# Altium PCB 202101904XB(公开).PcbDoc (part 3 of 6)
Units mil, origin at the board's own origin, x right, y up, seen from the top; angles counter-clockwise.
Board outline 5834.66 x 3390.86 mil, 10 copper layers (Top, GND_02, sig_03, GND04, sig_05, PWR06, GND07, sig_08, GND09, Bottom); 610 components, 281 nets, 2214 pads, 1000 vias.
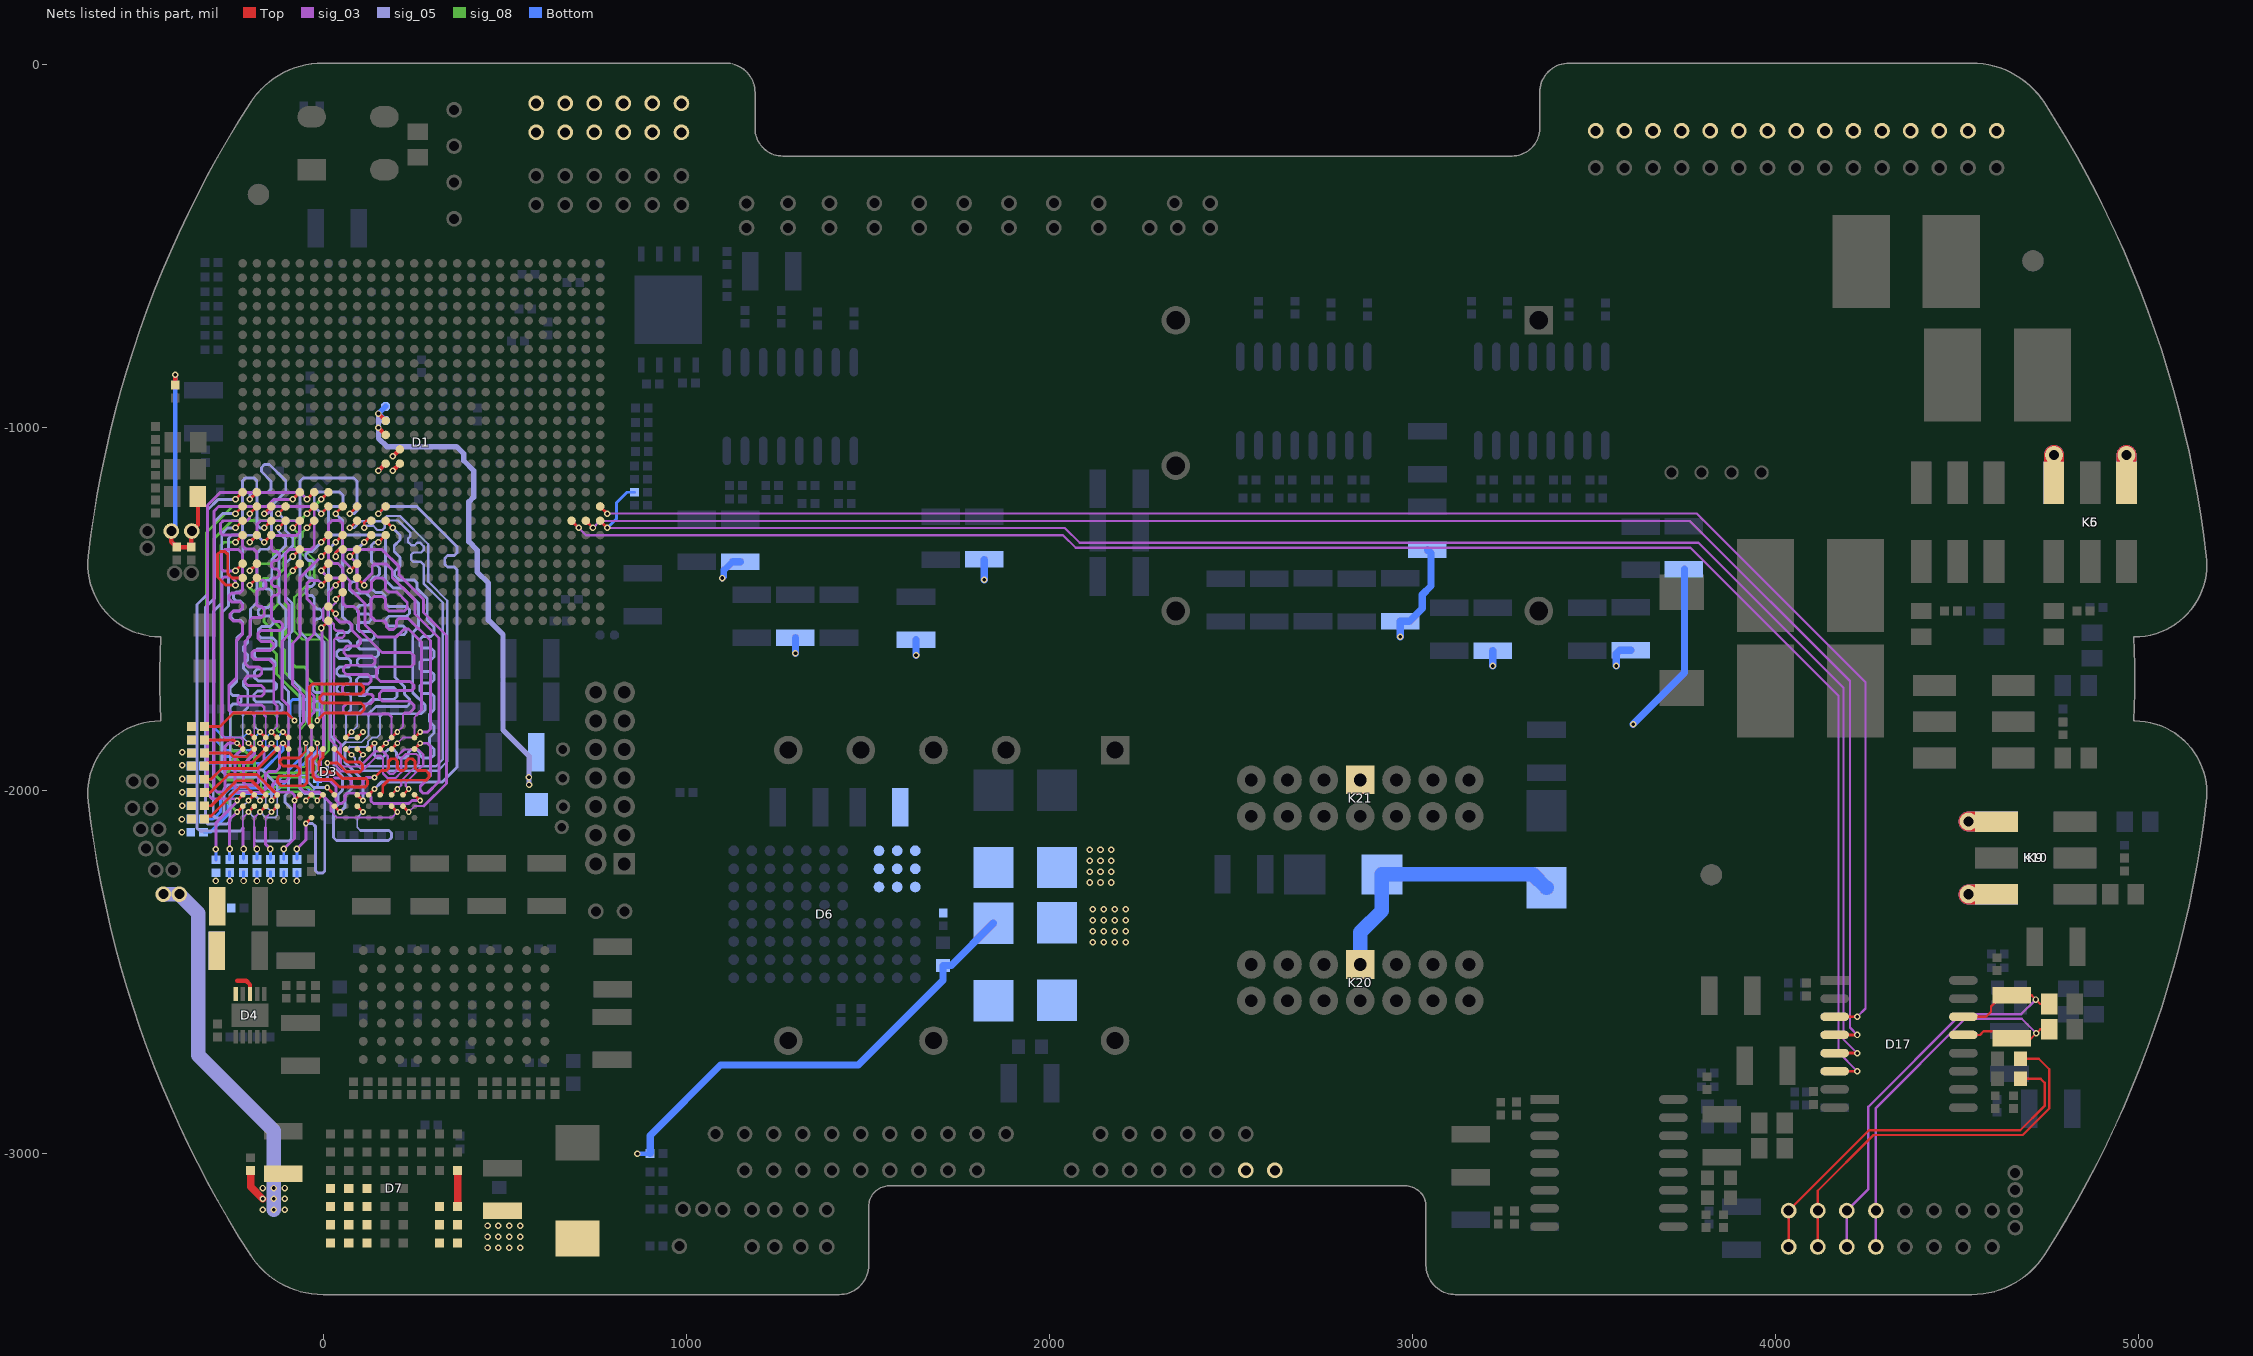
[diagram p11: the nets of this part, all layers, seen from the top]

## Via types
v1: diameter 18, hole 10, Top to Bottom, tented both sides, 880 vias
v2: diameter 16, hole 8, Top to Bottom, tented both sides, 91 vias
v3: diameter 50, hole 28, Top to Bottom, tented both sides, 22 vias
v4: diameter 24, hole 12, Top to Bottom, tented both sides, 5 vias
v5: diameter 40, hole 40, Top to Bottom, 2 vias

## Nets (pads, with @x,y where several pads share a name; then routed paths per layer and width w, separated by ;. In a path a pad name is that pad's centre, name@x,y a point inside that pad or via, vN(x,y) a via of type N, cw(c..) or ccw(c..) an arc to the next point about the centre after c; other vN are vias at no path point) (continued)
+5V2: 1.1 2.1 C119.2 C290.2 D7.3 | length 1112.3
  Top w20: C119.2@-199.42,-3047.14 -199.42,-3091.64 v1(-166.09,-3124.96)
  sig_05 w40: 1.1@-440,-2286 2.1@-396,-2286 -344,-2338 -344,-2729 -136.09,-2936.91 v1(-136.09,-3094.96) v1(-136.09,-3124.96) v1(-136.09,-3154.96)
  other v1: -166.09,-3154.96 -106.09,-3154.96 -106.09,-3124.96 -166.09,-3094.96 -106.09,-3094.96
+B: C272.2 C402.2 D7.4 D7.5 K5.4 K5.6 K6.4 K6.6 K9.4 K9.6 K10.4 K10.6 K20.01 K21.01 V3.1 V4.1 V5.2 V6.2 V16.2 X7-1.1 X7-2.1 X7-3.1 X7-4.1 X7-5.1 X7-6.1 X7-7.1 X7-8.1 X7-9.1 X7-10.1 X7-11.1 X7-12.1 X7-13.1 X7-14.1 X7-15.1 X12-1.1 X12-2.1 XJC1.1 XJC2.1 XJC3.1 XJC4.1 XJC5.1 XJC6.1 XJC21.1 XJC22.1 XJC23.1 XJC24.1 XJC25.1 XJC26.1 | length 1455.5
  Top w20: D7.4@370.58,-3146.14 D7.5@370.58,-3046.14
  Top w55: v3(4530.58,-2286.14) K10.6@4607.32,-2286.14 ; v3(4530.58,-2086.14) K10.4@4607.32,-2086.14 ; K6.6@4765.58,-1152.87 v3(4765.58,-1076.14) ; K6.4@4965.58,-1152.87 v3(4965.58,-1076.14)
  Bottom w40: K20.01@2855.58,-2479.37 2855.58,-2391.14 2915.58,-2331.14 2915.58,-2231.14 3330.98,-2231.14 V5.2@3368.58,-2268.74
  Bottom w55: v3(4530.58,-2286.14) K9.4@4607.32,-2286.14 ; v3(4530.58,-2086.14) K9.6@4607.32,-2086.14 ; K5.4@4765.58,-1152.87 v3(4765.58,-1076.14) ; K5.6@4965.58,-1152.87 v3(4965.58,-1076.14)
  other v1: 452.75,-3259.17 482.75,-3259.17 512.75,-3259.17 542.75,-3259.17 452.75,-3229.17 482.75,-3229.17 512.75,-3229.17 542.75,-3229.17 452.75,-3199.17 482.75,-3199.17 512.75,-3199.17 542.75,-3199.17 2119.58,-2417.74 2149.58,-2417.74 2179.58,-2417.74 2209.58,-2417.74 2119.58,-2387.74 2149.58,-2387.74 2179.58,-2387.74 2209.58,-2387.74 2119.58,-2357.74 2149.58,-2357.74 2179.58,-2357.74 2209.58,-2357.74 2119.58,-2327.74 2149.58,-2327.74 2179.58,-2327.74 2209.58,-2327.74
+BB: C273.1 C403.1 D6.4 R138.1 R161.1 R162.1 R163.1 R164.1 R165.1 R169.1 R170.1 R171.1 R172.1 R269.2 V1.2 V2.2 V3.2 V4.2 | length 2415.2
  Bottom w12: v1(865.58,-3000.17) R138.1@900.59,-3000.17
  Bottom w18: v1(1099.33,-1415.42) 1103.27,-1411.48 1103.27,-1393.26 ; 1104.4,-1393.36 R164.1@1127.37,-1370.38
  Bottom w20: R138.1@900.59,-3000.17 900.58,-2950.17 1094.33,-2756.42 1473.22,-2756.42 1706.64,-2523 C403.1@1706.64,-2482.5 1729.23,-2482.5 V4.2@1845.58,-2366.14 ; R164.1@1127.37,-1370.38 R164.1@1148.62,-1370.39 ; v1(1300.58,-1622.42) R163.1@1300.58,-1580.08 ; v1(1632.58,-1628.42) R162.1@1632.58,-1585.14 ; v1(1820.58,-1420.17) R161.1@1820.58,-1364.14 ; v1(2965.58,-1577.42) R165.1@2965.58,-1534.14 2991.62,-1534.13 3026.33,-1499.42 3026.33,-1461.42 3050.33,-1437.42 3050.33,-1347.09 R172.1@3040.62,-1337.39 ; v1(3220.58,-1657.42) R171.1@3220.58,-1615.08 ; v1(3560.58,-1657.42) 3560.58,-1623.07 3569.51,-1614.14 R170.1@3600.58,-1614.14 ; v1(3607,-1818) 3748.58,-1676.42 R169.1@3748.58,-1391.13
  other v1: 2110.58,-2253.74 2140.58,-2253.74 2170.58,-2253.74 2110.58,-2223.74 2140.58,-2223.74 2170.58,-2223.74 2110.58,-2193.74 2140.58,-2193.74 2170.58,-2193.74 2110.58,-2163.74 2140.58,-2163.74 2170.58,-2163.74
AGND: C46.1 C48.1 C102.2 C104.1 C203.2 D1.M11 D1.N11 D1.P12 D1.R11 D1.R12 GZGD1-.1 GZGD2-.1 L1.1 R101.2 R206.1 | length 2212.6
  Top w12: GZGD1-.1@-418,-1286 -418,-1315.28 C104.1@-403,-1330.28 C48.1@-363,-1330.28 -363,-1287.58 GZGD2-.1@-361.42,-1286 -344.57,-1269.15 R101.2@-344.57,-1191 ; R206.1@-407,-884.28 v1(-407,-856) ; v1(152.48,-1119.87) D1.R11@172.16,-1100.2 ; v1(152.48,-1001.77) D1.N11@172.16,-1021.45 ; v1(152.48,-962.4) D1.M11@172.16,-982.08 ; v1(191.85,-1119.87) D1.R12@211.53,-1100.2 ; v1(191.85,-1080.5) D1.P12@211.53,-1060.83
  sig_05 w15: v1(152.48,-962.4) v1(152.48,-1001.77) 152.48,-1030.57 175.33,-1053.42 367.33,-1053.42 387.33,-1073.42 387.33,-1092.42 414.33,-1119.42 414.33,-1192.42 401.33,-1205.42 401.33,-1315.42 424.33,-1338.42 424.33,-1398.42 455.33,-1429.42 455.33,-1531.42 495.33,-1571.42 495.33,-1833.11 567,-1904.79 v1(567,-1985)
  Bottom w12: GZGD1-.1@-418,-1286 -407,-1275 v1(-407,-856)
  Bottom w15: C102.2@172.16,-982.08 v1(152.48,-962.4) C46.1@172.16,-942.71
  other v1: 566.82,-1964.39
CL422-A: D17.14 R9.1 R106.1 X4-15.1 X4-34.1 | length 1324.6
  Top w6.5: D17.14@4516.32,-2623.45 4578.3,-2623.45 4592.33,-2609.42 4592.33,-2595.42 4623.36,-2564.39 R9.1@4649.16,-2564.39 ; R9.1@4649.16,-2564.39 4704.39,-2564.39 v1(4716,-2576) 4728.05,-2588.05 R106.1@4752.76,-2588.05 ; R106.1@4752.76,-2588.05 4734.45,-2606.36 R106.1@4752.76,-2588.05
  sig_03 w6.5: X4-34.1@4195.58,-3257.14 X4-15.1@4195.58,-3157.14 4255,-3097.72 4255,-2871 4510,-2616 4676,-2616 v1(4716,-2576)
CL422-B: D17.13 R9.2 R107.1 X4-16.1 X4-35.1 | length 1222.9
  Top w6.5: D17.13@4516.32,-2673.45 4562.04,-2673.45 4572.07,-2663.42 4630.08,-2663.42 R9.2@4649.16,-2682.51 ; R9.2@4649.16,-2682.51 4703.49,-2682.51 v1(4717,-2669) 4727.95,-2658.05 4752.76,-2658.05 R107.1@4737.25,-2642.54
  sig_03 w6.5: X4-35.1@4275.58,-3257.14 X4-16.1@4275.58,-3157.14 4275.58,-2874.42 4521,-2629 4677,-2629 v1(4717,-2669)
CL422-DE: D1.W26 D17.5 R216.2 | length 4840
  Top w8: D1.W26@762.71,-1257.68 v1(782.39,-1277.35) ; D17.5@4161.99,-2723.45 v1(4224.44,-2723.45)
  sig_03 w6: v1(782.39,-1277.35) 2042.35,-1277.35 2083,-1318 3787,-1318 4186,-1717 4186,-2685.02 v1(4224.44,-2723.45)
  Bottom w8: v1(782.39,-1277.35) 808.33,-1251.41 808.33,-1207.42 836.6,-1179.15 R216.2@857.61,-1179.15
CL422-R\E\: D1.W25 D17.4 | length 4724.5
  Top w8: D1.W25@723.34,-1257.68 v1(743.02,-1277.35) ; D17.4@4161.99,-2673.45 v1(4224.44,-2673.45)
  sig_03 w6: v1(743.02,-1277.35) 761.95,-1258.42 3763.42,-1258.42 4204,-1699 4204,-2653.02 v1(4224.44,-2673.45)
CL422-RXD: D1.V26 D17.3 | length 4677.9
  Top w8: D1.V26@762.71,-1218.31 v1(782.39,-1237.98) ; D17.3@4161.99,-2623.45 v1(4224.44,-2623.45)
  sig_03 w6: v1(782.39,-1237.98) 3782.98,-1237.98 4247,-1702 4247,-2600.89 v1(4224.44,-2623.45)
CL422-TXD: D1.W24 D17.6 | length 4806
  Top w8: D1.W24@683.97,-1257.68 v1(703.65,-1277.35) ; D17.6@4161.99,-2773.45 v1(4224.44,-2773.45)
  sig_03 w6: v1(703.65,-1277.35) 723.72,-1297.42 2037.42,-1297.42 2072,-1332 3765,-1332 4173,-1740 4173,-2722.02 v1(4224.44,-2773.45)
CL422-Y: R20.2 X4-13.1 X4-32.1 | length 1058.6
  Top w6.5: X4-32.1@4035.58,-3257.14 X4-13.1@4035.58,-3157.14 4256.72,-2936 4673,-2936 4740,-2869 4740,-2805 4729.19,-2794.19 R20.2@4673.69,-2794.19
CL422-Z: R19.2 X4-14.1 X4-33.1 | length 1085.2
  Top w6.5: X4-33.1@4115.58,-3257.14 X4-14.1@4115.58,-3157.14 4115.58,-3102.42 4269,-2949 4680,-2949 4753,-2876 4753,-2768 4724.19,-2739.19 R19.2@4673.69,-2739.19
DDR0V75: C193.1 C230.2 C231.2 C232.2 D4.3 D4.5 R25.2 R26.2 R27.2 R28.2 R29.2 R30.2 R31.2 R32.2 R33.2 R34.2 R35.2 R36.2 R37.2 R38.2 R39.2 R40.2 R41.2 R42.2 R43.2 R44.2 R45.2 R46.2 R47.2 R48.1 | length 217.2
  Top w12: -236.67,-2524.42 -211.67,-2524.42 -201.34,-2534.75 D4.3@-201.34,-2560.62
  Bottom w8: v1(-257.19,-2249.42) R33.2@-257.19,-2224.14 ; v1(-219.11,-2249.42) R31.2@-219.11,-2224.14 ; v1(-182.15,-2249.42) R29.2@-182.15,-2224.14 ; v1(-145.02,-2249.42) R40.2@-145.02,-2224.14 ; v1(-108.32,-2249.42) R35.2@-108.32,-2224.15 ; v1(-72.35,-2249.42) R42.2@-72.35,-2224.13
  other v1: -295.27,-2249.42 -388.68,-2115.42 -388.68,-2079.45 -387.68,-2042.75 -387.68,-2005.62 -387.68,-1968.66 -387.68,-1930.58 -387.68,-1894.61
DDR3-A0: D1.AB1 D3.N3 R25.1 | length 1435.2
  Top w8: R25.1@-326.99,-1969.39 -308.63,-1969.39 -278.66,-1939.42 -179.66,-1939.42 D3.N3@-126.38,-1886.14 v2(-142.12,-1870.4) ; v1(-241.22,-1395.46) D1.AB1@-221.54,-1375.79
  sig_03 w5: -189.38,-1884.52 -189.38,-1796.42
  sig_03 w8: v1(-241.22,-1395.46) -274.33,-1395.46 -279.57,-1390.22 -279.57,-1344.82 -271.57,-1336.82 -232.77,-1336.82 -221.57,-1348.02 -221.57,-1449.83 -228.6,-1456.86 -251.54,-1456.86 -258.57,-1463.89 -258.57,-1473.83 -251.54,-1480.86 -228.6,-1480.86 -221.57,-1487.89 -221.57,-1497.52 -230.27,-1506.22 -248.47,-1506.22 -256.47,-1514.22 -256.47,-1525.54 -248.47,-1533.54 -228.85,-1533.54 -221.57,-1540.82 -221.57,-1570.42 -239.07,-1587.92 -239.07,-1691.12 -259.87,-1711.92 -259.87,-1778.02 -251.87,-1786.02 -197.38,-1786.02 -189.38,-1794.02 -189.38,-1796.42 ; -189.38,-1884.52 -189.38,-1898.93 -219.67,-1929.22 -219.67,-1977.62 -211.67,-1985.62 -185.87,-1985.62 -177.87,-1977.62 -177.87,-1931.62 -163.14,-1916.89 -163.14,-1891.42 v2(-142.12,-1870.4)
DDR3-A1: D1.V1 D3.P7 R26.1 | length 1410
  Top w8: R26.1@-326.99,-2042.45 -307.75,-2042.45 -238.72,-1973.42 -196.58,-1973.42 D3.P7@-157.87,-2012.12 v2(-173.63,-2027.87) ; v1(-241.22,-1237.98) D1.V1@-221.54,-1218.31
  sig_05 w8: v1(-241.22,-1237.98) -276.52,-1237.98 -298.27,-1259.73 -298.27,-1470.42 -323.37,-1495.52 -323.37,-2087.02 -317.57,-2092.82 -264.07,-2092.82 -256.07,-2084.82 -256.07,-2011.32 -248.07,-2003.32 -198.18,-2003.32 v2(-173.63,-2027.87)
DDR3-A2: D1.V2 D3.P3 R27.1 | length 1362.4
  Top w8: R27.1@-326.96,-1932.98 -317.4,-1923.42 -195.16,-1923.42 D3.P3@-157.87,-1886.14 v2(-173.63,-1870.39) ; v1(-201.85,-1237.98) D1.V2@-182.17,-1218.31
  sig_03 w5: v2(-173.63,-1870.39) -157.88,-1854.64 -157.88,-1796.42
  sig_03 w8: v1(-201.85,-1237.98) -201.85,-1249.7 -209.85,-1257.7 -274.85,-1257.7 -282.33,-1265.18 -282.33,-1291.56 -276.67,-1297.22 -231.07,-1297.22 -221.57,-1306.72 -221.57,-1327.52 -213.17,-1335.92 -190.77,-1335.92 -182.77,-1343.92 -182.77,-1414.46 -175.74,-1421.49 -164.5,-1421.49 -157.47,-1428.52 -157.47,-1438.46 -164.5,-1445.49 -175.74,-1445.49 -182.77,-1452.52 -182.77,-1488.82 -178.37,-1493.22 -170.17,-1493.22 -162.17,-1501.22 -162.17,-1516.68 -169.2,-1523.71 -193.94,-1523.71 -200.97,-1530.74 -200.97,-1575.52 -215.27,-1589.82 -215.27,-1649.84 -204.54,-1660.57 -176,-1660.57 -168.97,-1667.6 -168.97,-1677.54 -176,-1684.57 -208.24,-1684.57 -215.27,-1691.6 -215.27,-1703.42 -207.27,-1711.42 -170.17,-1711.42 -162.17,-1719.42 -162.17,-1733.54 -169.5,-1740.87 -227.94,-1740.87 -234.97,-1747.9 -234.97,-1757.84 -227.94,-1764.87 -169.2,-1764.87 -162.17,-1771.9 -162.17,-1792.13 -157.88,-1796.42
DDR3-A3: D1.Y2 D3.N2 R28.1 | length 1414.8
  Top w8: v1(-201.85,-1316.72) D1.Y2@-182.17,-1297.05 ; v2(-142.12,-1838.9) D3.N2@-126.38,-1854.64
  sig_03 w5: v2(-142.12,-1838.9) -126.57,-1823.35 -126.57,-1797.52
  sig_03 w8: v1(-201.85,-1316.72) -181.95,-1296.82 -181.95,-1267.4 -172.07,-1257.52 -75.17,-1257.52 -64.67,-1268.02 -64.67,-1289.72 -72.67,-1297.72 -134.37,-1297.72 -142.37,-1305.72 -142.37,-1335.72 -135.34,-1342.75 -127.4,-1342.75 -120.37,-1349.78 -120.37,-1359.72 -127.4,-1366.75 -135.34,-1366.75 -142.37,-1373.78 -142.37,-1383.72 -135.34,-1390.75 -127.4,-1390.75 -120.37,-1397.78 -120.37,-1407.72 -127.4,-1414.75 -135.34,-1414.75 -142.37,-1421.78 -142.37,-1431.72 -135.34,-1438.75 -127.4,-1438.75 -120.37,-1445.78 -120.37,-1455.72 -127.4,-1462.75 -135.34,-1462.75 -142.37,-1469.78 -142.37,-1528.39 -135.34,-1535.42 -118.97,-1535.42 -111.85,-1542.54 -111.85,-1552.49 -118.88,-1559.52 -171.01,-1559.52 -179.01,-1567.52 -179.01,-1581.82 -171.01,-1589.82 -143.87,-1589.82 -135.87,-1597.82 -135.87,-1605.42 -145.17,-1614.72 -189.77,-1614.72 -195.96,-1620.91 -195.96,-1632.23 -187.96,-1640.23 -147.66,-1640.23 -135.87,-1652.02 -135.87,-1758.22 -126.57,-1767.52 -126.57,-1797.52
  Bottom w5: -157.77,-1879 -157.77,-1854.55 v2(-142.12,-1838.9)
  Bottom w8: R28.1@-326.95,-1897.01 -286.08,-1897.01 -276.67,-1906.42 -177.67,-1906.42 -157.77,-1886.52 -157.77,-1879
DDR3-A4: D1.Y3 D3.P8 R29.1 | length 1316.1
  Top w8: v2(-173.62,-2059.36) D3.P8@-157.87,-2043.62 ; v1(-162.48,-1316.72) D1.Y3@-142.8,-1297.05
  sig_03 w5: -189.58,-2103 -189.58,-2075.32 v2(-173.62,-2059.36)
  sig_03 w8: -189.58,-2103 -189.58,-2153.99 v1(-182.15,-2161.42)
  sig_05 w5: v2(-173.62,-2059.36) -157.86,-2075.12 -132.17,-2075.12 -126.17,-2069.12 -126.17,-2014.72
  sig_05 w8: v1(-162.48,-1316.72) -181.68,-1297.52 -209.87,-1297.52 -221.37,-1309.02 -221.37,-1446.96 -228.4,-1453.99 -239.44,-1453.99 -246.47,-1461.02 -246.47,-1470.96 -239.44,-1477.99 -229.37,-1477.99 -221.37,-1485.99 -221.37,-1498.52 -229.37,-1506.52 -245.67,-1506.52 -253.67,-1514.52 -253.67,-1523.52 -245.67,-1531.52 -227.27,-1531.52 -222.07,-1536.72 -222.07,-1565.32 -237.67,-1580.92 -237.67,-1699.32 -255.77,-1717.42 -255.77,-1731.62 -248.74,-1738.65 -232.5,-1738.65 -225.47,-1745.68 -225.47,-1755.62 -232.5,-1762.65 -248.74,-1762.65 -255.77,-1769.68 -255.77,-1935.76 -247.76,-1943.77 -167.32,-1943.77 -126.17,-1984.92 -126.17,-2014.72
  Bottom w8: R29.1@-182.15,-2188.71 v1(-182.15,-2161.42)
DDR3-A5: D1.W4 D3.P2 R30.1 | length 1382.2
  Top w8: v2(-173.62,-1838.9) D3.P2@-157.87,-1854.64 ; v1(-123.11,-1277.35) D1.W4@-103.43,-1257.68
  sig_05 w5: -189.27,-1790.32 -189.27,-1823.25 v2(-173.62,-1838.9)
  sig_05 w8: -189.27,-1790.32 -182.57,-1783.62 -118.17,-1783.62 -112.5,-1777.95 -112.5,-1765.52 -121.1,-1756.92 -183.97,-1756.92 -190.17,-1750.72 -190.17,-1735.92 -180.87,-1726.62 -136.77,-1726.62 -128.77,-1718.62 -128.77,-1707.02 -136.77,-1699.02 -178.77,-1699.02 -189.37,-1688.42 -189.37,-1674.12 -180.57,-1665.32 -140.77,-1665.32 -132.77,-1657.32 -132.77,-1646 -140.77,-1638 -182.09,-1638 -189.37,-1630.72 -189.37,-1618.72 -180.87,-1610.22 -138.17,-1610.22 -130.17,-1602.22 -130.17,-1588.82 -138.17,-1580.82 -170.37,-1580.82 -178.57,-1572.62 -178.57,-1558.02 -169.77,-1549.22 -146.07,-1549.22 -138.07,-1541.22 -138.07,-1529.12 -147.47,-1519.72 -173.47,-1519.72 -178.57,-1514.62 -178.57,-1503.92 -171.37,-1496.72 -150.77,-1496.72 -141.47,-1487.42 -141.47,-1452.52 -148.5,-1445.49 -156.84,-1445.49 -163.87,-1438.46 -163.87,-1428.52 -156.84,-1421.49 -148.5,-1421.49 -141.47,-1414.46 -141.47,-1364.22 -103.67,-1326.42 -103.67,-1306.92 -123.11,-1287.48 v1(-123.11,-1277.35)
  Bottom w5: -189.27,-1879 -189.27,-1854.55 v2(-173.62,-1838.9)
  Bottom w8: R30.1@-326.95,-1861.04 -296.05,-1861.04 -267.67,-1889.42 -199.18,-1889.42 -189.66,-1879.9
DDR3-A6: D1.V4 D3.R8 R31.1 | length 1331.8
  Top w8: v2(-205.12,-2059.36) D3.R8@-189.37,-2043.62 ; v1(-123.11,-1237.98) D1.V4@-103.43,-1218.31
  sig_03 w5: -221.08,-2103 -221.08,-2075.32 v2(-205.12,-2059.36)
  sig_03 w8: -221.08,-2103 -221.08,-2159.45 v1(-219.11,-2161.42)
  sig_05 w5: v2(-205.12,-2059.36) -189.57,-2074.91 -189.57,-2102.42 ; -94.95,-1878.22 -94.95,-1796.72
  sig_05 w8: -189.57,-2102.42 -189.57,-2134.15 -183.9,-2139.82 -93.57,-2139.82 -87.77,-2134.02 -87.77,-2049.82 -104.67,-2032.92 -104.67,-2014.52 -94.95,-2004.8 -94.95,-1878.22 ; v1(-123.11,-1237.98) -103.37,-1257.72 -103.37,-1284.72 -83.67,-1304.42 -83.67,-1326.42 -121.07,-1363.82 -121.07,-1483.02 -102.37,-1501.72 -102.37,-1550.92 -111.37,-1559.92 -111.37,-1711.52 -94.95,-1727.94 -94.95,-1796.72
  Bottom w8: R31.1@-219.11,-2188.7 v1(-219.11,-2161.42)
DDR3-A7: D1.V6 D3.R2 R32.1 | length 1375.8
  Top w8: v2(-205.12,-1838.9) D3.R2@-189.37,-1854.64 ; v1(-44.37,-1237.98) D1.V6@-24.69,-1218.31
  sig_08 w5: v2(-205.12,-1838.9) -189.27,-1854.75 -189.27,-1888.02
  sig_08 w8: -189.27,-1888.02 -189.27,-1963.22 -197.37,-1971.32 -283.46,-1971.32 -300.98,-1953.8 -300.98,-1307.93 -250.47,-1257.42 -63.81,-1257.42 v1(-44.37,-1237.98)
  Bottom w5: -250.36,-1854.52 -220.74,-1854.52 v2(-205.12,-1838.9)
  Bottom w8: R32.1@-326.96,-1823.83 -303.26,-1823.83 -272.57,-1854.52 -250.36,-1854.52
DDR3-A8: D1.U7 D3.T8 R33.1 | length 1348.8
  Top w8: v2(-236.61,-2059.36) D3.T8@-220.87,-2043.62 ; v1(-5,-1198.61) D1.U7@14.68,-1178.94
  sig_03 w8: v1(-257.19,-2161.42) -257.67,-2160.94 -257.67,-2080.42 v2(-236.61,-2059.36)
  sig_08 w8: v2(-236.61,-2059.36) -320.86,-1975.11 -320.86,-1289.71 -249.27,-1218.12 -24.51,-1218.12 v1(-5,-1198.61)
  Bottom w8: R33.1@-257.19,-2191 v1(-257.19,-2161.42)
DDR3-A9: D1.W3 D3.R3 R34.1 | length 1327.7
  Top w8: R34.1@-326.95,-1897.01 -257.08,-1897.01 -246.67,-1907.42 -210.66,-1907.42 D3.R3@-189.37,-1886.14 v2(-205.12,-1870.4) ; v1(-162.48,-1277.35) D1.W3@-142.8,-1257.68
  sig_05 w5: -221.07,-1794.32 -221.07,-1854.45 v2(-205.12,-1870.4)
  sig_05 w8: -221.07,-1794.32 -221.07,-1785.42 -207.47,-1771.82 -207.47,-1723.52 -218.67,-1712.32 -218.67,-1699.52 -207.47,-1688.32 -207.47,-1675.52 -218.67,-1664.32 -218.67,-1651.52 -207.47,-1640.32 -207.47,-1627.52 -218.67,-1616.32 -218.67,-1603.52 -207.47,-1592.32 -207.47,-1579.32 -200.07,-1571.92 -200.07,-1500.92 -181.57,-1482.42 -181.57,-1345.52 -172.07,-1336.02 -151.67,-1336.02 -142.27,-1326.62 -142.27,-1216.72 -102.87,-1177.32 -102.87,-1147.42 -147.21,-1103.08 -161.79,-1103.08 -169.79,-1111.08 -169.79,-1122.4 -142.97,-1149.22 -142.97,-1170.32 -151.77,-1179.12 -172.67,-1179.12 -181.57,-1188.02 -181.57,-1269.34 -173.56,-1277.35 v1(-162.48,-1277.35)
DDR3-A10: D1.V3 D3.L7 R35.1 | length 1345.4
  Top w8: v1(-162.48,-1237.98) D1.V3@-142.8,-1218.31 ; v2(-79.13,-2027.86) D3.L7@-63.39,-2012.12
  sig_03 w5: -94.87,-1879.22 -94.87,-1794.52
  sig_03 w8: v1(-162.48,-1237.98) -152.33,-1237.98 -133.17,-1218.82 -33.57,-1218.82 -24.47,-1227.92 -24.47,-1328.82 -32.47,-1336.82 -93.17,-1336.82 -103.77,-1347.42 -103.77,-1479.32 -93.67,-1489.42 -93.67,-1569.52 -112.67,-1588.52 -112.67,-1749.42 -94.87,-1767.22 -94.87,-1794.52 ; v1(-108.32,-2161.42) -79.13,-2132.23 v2(-79.13,-2027.86) -79.13,-2013.22 -87.13,-2005.22 -130.67,-2005.22 -138.87,-1997.02 -138.87,-1983.32 -130.87,-1975.32 -102.87,-1975.32 -94.87,-1967.32 -94.87,-1879.22
  Bottom w8: R35.1@-108.32,-2188.71 v1(-108.32,-2161.42)
DDR3-A11: D1.U1 D3.R7 R36.1 | length 1426.5
  Top w8: R36.1@-326.96,-2079.13 -318.25,-2070.42 -308.67,-2070.42 -228.67,-1990.42 -211.08,-1990.42 D3.R7@-189.37,-2012.12 v2(-205.12,-2027.86) ; v1(-241.22,-1198.61) D1.U1@-221.54,-1178.94
  sig_05 w5: -221.08,-2105.53 -221.08,-2043.82 v2(-205.12,-2027.86)
  sig_05 w8: v1(-241.22,-1198.61) -288.46,-1198.61 -318.27,-1228.42 -318.27,-1459.92 -346.87,-1488.52 -346.87,-2104.12 -338.87,-2112.12 -227.67,-2112.12 -221.08,-2105.53